# KiCad board scanhead_pcb.kicad_pcb (continued)
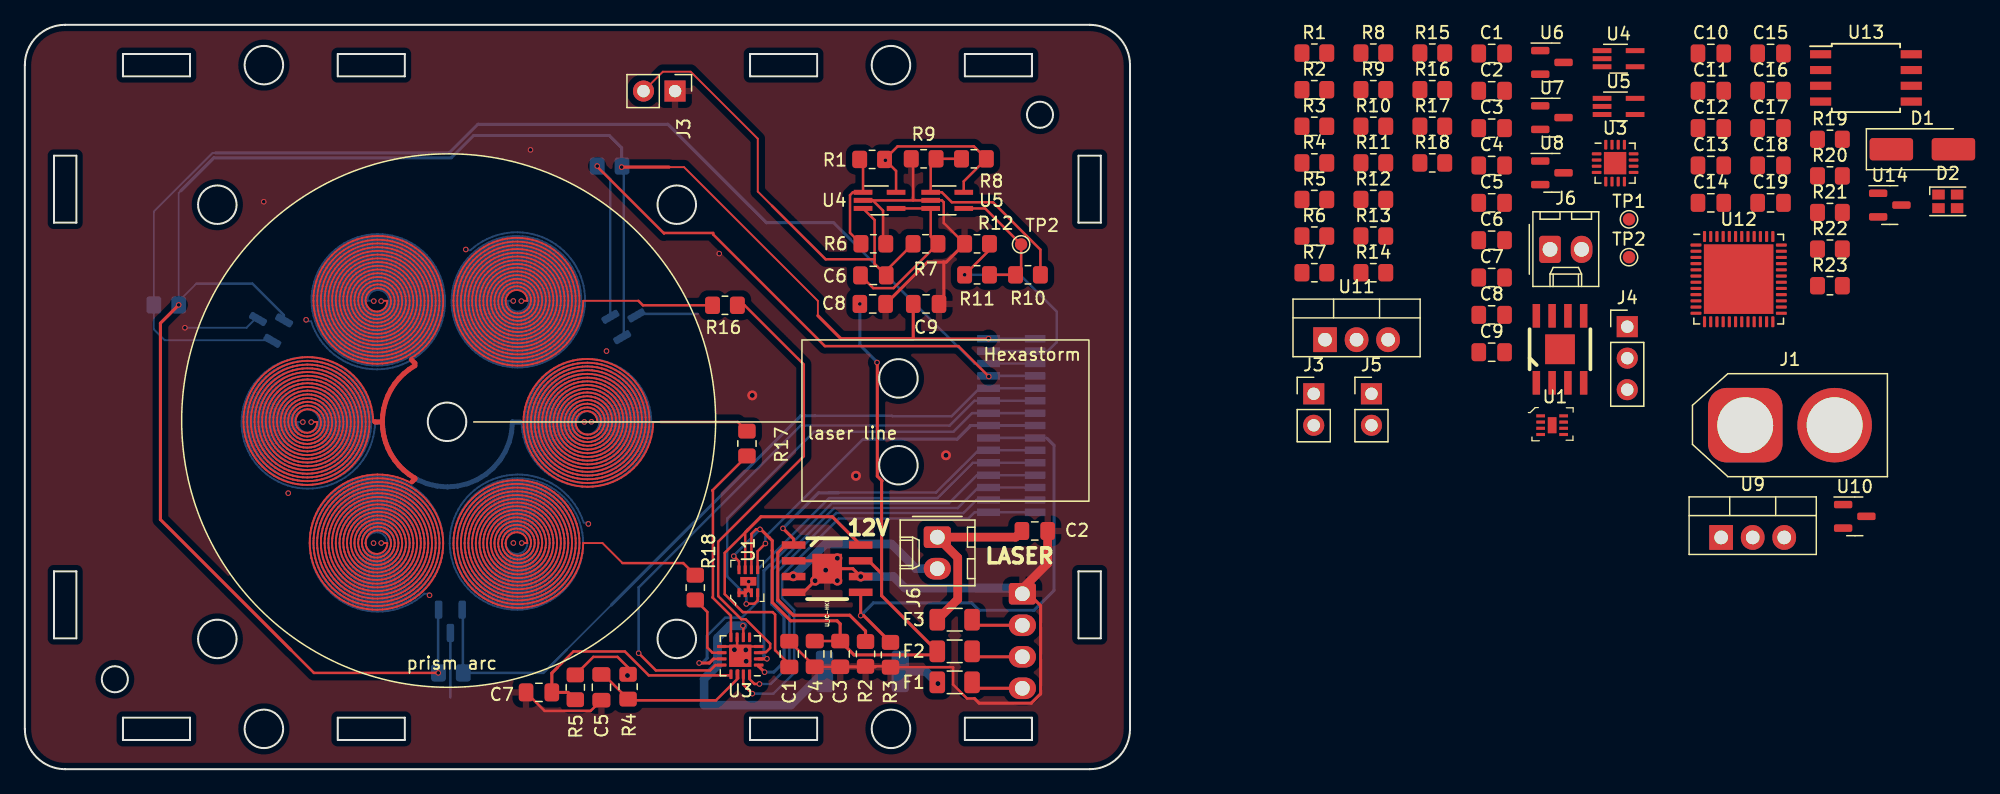
[diagram p0: board, top side]
## Routing (per net, layer and track width the routed paths; a pad name or vN(x,y) marks a point on that pad's centre or on a via; arc(x,y) is an arc through that point) (continued)
45.31,29.02 45.05,29 44.79,28.9 44.56,28.74 44.38,28.53 44.26,28.27 44.21,27.99 44.23,27.75 44.3,27.51 44.43,27.29 44.6,27.1 44.81,26.95 45.05,26.86 45.31,26.82 45.58,26.84 45.83,26.92 46.07,27.05 46.27,27.23 46.42,27.46 46.52,27.72 46.56,27.99 46.54,28.27 46.46,28.54 46.32,28.79 46.12,29 45.88,29.17 45.61,29.27 45.31,29.32 45.02,29.3 44.73,29.21 44.47,29.05 44.24,28.85 44.07,28.59 43.96,28.3 43.91,27.99 43.93,27.72 44,27.45 44.13,27.2 44.3,26.98 44.51,26.79 44.76,26.65 45.03,26.56 45.31,26.52 45.6,26.54 45.89,26.61 46.15,26.74 46.38,26.92 46.58,27.15 46.73,27.41 46.82,27.69 46.86,27.99 46.84,28.3 46.76,28.59 46.63,28.87 46.44,29.12 46.2,29.32 45.93,29.48 45.63,29.58 45.31,29.62 45,29.6 44.68,29.51 44.4,29.37 44.14,29.17 43.92,28.92 43.76,28.64 43.66,28.32 43.61,27.99 43.63,27.7 43.7,27.41 43.82,27.13 43.99,26.88 44.19,26.66 44.44,26.48 44.71,26.34 45.01,26.25 45.31,26.22 45.62,26.24 45.93,26.31 46.21,26.43 46.48,26.61 46.71,26.83 46.89,27.08 47.04,27.37 47.13,27.67 47.16,27.99 47.14,28.32 47.07,28.63 46.94,28.93 46.76,29.2 46.53,29.44 46.26,29.64 45.97,29.79 45.65,29.88 45.31,29.92 44.98,29.9 44.65,29.82 44.34,29.68 44.06,29.49 43.81,29.26 43.6,28.98 43.45,28.67 43.35,28.34 43.31,27.99 43.33,27.68 43.4,27.37 43.51,27.07 43.67,26.8 43.87,26.55 44.11,26.34 44.38,26.16 44.68,26.03 44.99,25.95 45.31,25.92 45.64,25.94 45.96,26.01 46.27,26.12 46.55,26.29 46.81,26.5 47.03,26.75 47.21,27.03 47.34,27.33 47.43,27.66 47.46,27.99 47.44,28.33 47.37,28.66 47.25,28.98 47.08,29.27 46.86,29.54 46.6,29.77 46.31,29.96 46,30.09 45.66,30.18 45.31,30.22 44.96,30.2 44.62,30.12 44.29,30 43.99,29.82 43.71,29.59 43.48,29.33 43.28,29.03 43.14,28.7 43.05,28.35 43.01,27.99 43.03,27.66 43.09,27.34 43.2,27.03 43.36,26.73 43.55,26.46 43.78,26.22 44.04,26.02 44.34,25.85 44.65,25.73 44.98,25.65 45.31,25.62 45.65,25.64 45.99,25.7 46.31,25.81 46.61,25.97 46.89,26.17 47.14,26.41 47.35,26.68 47.52,26.98 47.65,27.31 47.73,27.65 47.76,27.99 47.75,28.34 47.68,28.69 47.56,29.02 47.4,29.33 47.19,29.62 46.95,29.88 46.66,30.09 46.35,30.27 46.02,30.4 45.67,30.49 45.31,30.52 44.95,30.5 44.6,30.43 44.26,30.31 43.93,30.14 43.64,29.93 43.37,29.67 43.15,29.38 42.97,29.06 42.83,28.72 42.75,28.36 42.71,27.99 42.73,27.65 42.79,27.32 42.89,26.99 43.04,26.68 43.23,26.39 43.45,26.13 43.7,25.9 43.99,25.7 44.3,25.54 44.62,25.42 44.97,25.35 45.31,25.32 45.66,25.33 46.01,25.4 46.34,25.5 46.66,25.65 46.96,25.85 47.23,26.08 47.47,26.34 47.67,26.63 47.84,26.95 47.96,27.28 48.03,27.63 48.06,27.99 48.05,28.35 47.98,28.71 47.87,29.05 47.72,29.38 47.52,29.69 47.28,29.96 47.01,30.21 46.71,30.42 46.39,30.59 46.04,30.71 45.68,30.79 45.31,30.82 44.94,30.8 44.58,30.73 44.23,30.62 43.89,30.46 43.58,30.26 43.29,30.02 43.04,29.74 42.82,29.43 42.65,29.1 42.52,28.74 42.44,28.37 42.41,27.99 42.43,27.64 42.49,27.3 42.59,26.96 42.73,26.63 42.9,26.33 43.12,26.05 43.36,25.79 43.64,25.57 43.94,25.38 44.27,25.23 44.6,25.12 44.96,25.05 45.31,25.02 45.67,25.03 46.03,25.09 46.38,25.2 46.71,25.34 47.02,25.52 47.31,25.74 47.57,25.99 47.8,26.28 47.99,26.59 48.15,26.92 48.26,27.27 48.34,27.63 48.36,27.99 48.35,28.36 48.29,28.73 48.18,29.08 48.04,29.42 47.85,29.74 47.62,30.04 47.36,30.31 47.07,30.54 46.76,30.74 46.42,30.9 46.06,31.02 45.69,31.09 45.31,31.12 44.94,31.1 44.56,31.04 44.2,30.93 43.85,30.78 43.52,30.59 43.22,30.36 42.94,30.09 42.7,29.79 42.5,29.47 42.34,29.12 42.22,28.76 42.14,28.38 42.11,27.99 42.13,27.63 42.18,27.28 42.28,26.93 42.41,26.6 42.58,26.28 42.79,25.98 43.02,25.7 43.29,25.46 43.59,25.24 43.9,25.06 44.24,24.92 44.59,24.81 44.95,24.74 45.31,24.72 45.68,24.73 46.05,24.79 46.4,24.89 46.74,25.02 47.07,25.2 47.38,25.41 47.66,25.65 47.91,25.92 48.13,26.22 48.31,26.55 48.46,26.89 48.57,27.25 48.64,27.62 48.66,27.99 48.65,28.37 48.59,28.74 48.49,29.1 48.35,29.46 48.17,29.79 47.96,30.1 47.71,30.39 47.43,30.65 47.12,30.87 46.79,31.06 46.44,31.21 46.07,31.32 45.7,31.39 45.31,31.42 44.93,31.4 44.55,31.34 44.18,31.24 43.82,31.1 43.48,30.92 43.16,30.7 42.87,30.44 42.6,30.16 42.37,29.84 42.18,29.5 42.03,29.14 41.91,28.77 41.84,28.38 41.81,27.99 41.83,27.63 41.88,27.26 41.97,26.91 42.1,26.56 42.26,26.23 42.46,25.92 42.69,25.63 42.95,25.36 43.23,25.13 43.54,24.92 43.87,24.75 44.21,24.61 44.57,24.51 44.94,24.44 45.31,24.42 45.69,24.43 46.06,24.49 46.42,24.58 46.78,24.71 47.11,24.88 47.43,25.08 47.73,25.31 48,25.57 48.24,25.87 48.45,26.18 48.63,26.52 48.77,26.87 48.87,27.24 48.94,27.61 48.96,27.99 48.95,28.38 48.89,28.75 48.8,29.13 48.67,29.49 48.5,29.83 48.29,30.16 48.05,30.46 47.78,30.74 47.49,30.98 47.16,31.2 46.82,31.38 46.46,31.52 46.09,31.63 45.7,31.69 45.31,31.72 44.92,31.7 44.54,31.65 44.16,31.55 43.79,31.41 43.44,31.24 43.11,31.03 42.8,30.79 42.52,30.51 42.26,30.21 42.04,29.88 41.86,29.53 41.71,29.16 41.61,28.78 41.54,28.39 41.51,27.99 41.53,27.62 41.58,27.25 41.66,26.89 41.79,26.53 41.94,26.19 42.13,25.87 42.35,25.56 42.6,25.28 42.88,25.02 43.18,24.79 43.5,24.6 43.84,24.43 44.19,24.3 44.56,24.2 44.93,24.14 45.31,24.12 45.69,24.13 46.07,24.18 46.44,24.27 46.8,24.4 47.15,24.55 47.48,24.75 47.79,24.97 48.08,25.23 48.34,25.51 48.57,25.81 48.78,26.14 48.95,26.49 49.08,26.85 49.18,27.22 49.24,27.61 49.26,27.99 49.25,28.38 49.2,28.77 49.11,29.14 48.98,29.51 48.82,29.87 48.62,30.2 48.39,30.52 48.13,30.81 47.85,31.08 47.53,31.32 47.2,31.52 46.85,31.69 46.48,31.83 46.1,31.93 45.71,31.99 45.31,32.02 44.92,32 44.53,31.95 44.14,31.86 43.77,31.73 43.41,31.56 43.06,31.36 42.74,31.13 42.44,30.87 42.17,30.57 41.93,30.26 41.72,29.91 41.54,29.55 41.4,29.18 41.3,28.79 41.24,28.39 41.21,27.99 41.23,27.61 41.28,27.24 41.36,26.87 41.47,26.51 41.62,26.16 41.81,25.82 42.02,25.5 42.26,25.21 42.53,24.93 42.82,24.69 43.13,24.47 43.46,24.28 43.81,24.12 44.18,23.99 44.55,23.9 44.93,23.84 45.31,23.82 45.7,23.83 46.08,23.88 46.46,23.96 46.83,24.08 47.18,24.24 47.53,24.42 47.85,24.64 48.15,24.88 48.43,25.15 48.68,25.45 48.9,25.77 49.1,26.11 49.26,26.46 49.39,26.83 49.48,27.21 49.54,27.6 49.56,27.99 49.55,28.39 49.5,28.78 49.41,29.16 49.29,29.53 49.14,29.9 48.95,30.24 48.73,30.57 48.48,30.88 48.2,31.16 47.9,31.42 47.58,31.65 47.23,31.84 46.87,32.01 46.49,32.14 46.11,32.24 45.71,32.3 45.31,32.32 44.91,32.3 44.52,32.25 44.13,32.17 43.75,32.04 43.38,31.88 43.02,31.69 42.69,31.47 42.38,31.22 42.09,30.93 41.83,30.63 41.6,30.3 41.39,29.94 41.23,29.58 41.09,29.19 41,28.8 40.94,28.4 40.91,27.99 40.93,27.61 40.97,27.23 41.05,26.85 41.16,26.48 41.31,26.12 41.48,25.78 41.69,25.45 41.92,25.14 42.18,24.86 42.46,24.59 42.76,24.35 43.09,24.14 43.43,23.96 43.79,23.8 44.16,23.68 44.54,23.59 44.92,23.54 45.31,23.52 45.7,23.53 46.09,23.58 46.48,23.66 46.85,23.77 47.21,23.92 47.56,24.1 47.9,24.3 48.21,24.54 48.5,24.8 48.77,25.09 49.02,25.4 49.23,25.73 49.42,26.08 49.57,26.44 49.7,26.82 49.79,27.2 49.84,27.6 49.86,27.99 49.85,28.39 49.8,28.78 49.72,29.17 49.61,29.55 49.46,29.92 49.28,30.28 49.06,30.62 48.82,30.94 48.56,31.24 48.27,31.51 47.95,31.76 47.61,31.98 47.26,32.17 46.89,32.32 46.51,32.45 46.12,32.54 45.72,32.6 45.31,32.62 44.91,32.6 44.51,32.56 44.11,32.47 43.73,32.35 43.35,32.2 42.99,32.02 42.64,31.81 42.32,31.56 42.02,31.29 41.74,30.99 41.49,30.67 41.27,30.33 41.07,29.97 40.91,29.59 40.79,29.21 40.69,28.81 40.64,28.4 40.61,27.99 40.63,27.6 40.67,27.22 40.75,26.84 40.85,26.46 40.99,26.1 41.16,25.74 41.36,25.41 41.58,25.09 41.83,24.79 42.1,24.51 42.4,24.25 42.72,24.02 43.05,23.81 43.4,23.64 43.77,23.49 44.14,23.38 44.53,23.29 44.92,23.24 45.31,23.22 45.71,23.23 46.1,23.28 46.49,23.35 46.87,23.46 47.24,23.6 47.6,23.77 47.94,23.97 48.27,24.2 48.57,24.45 48.86,24.73 49.12,25.03 49.35,25.36 49.56,25.7 49.74,26.05 49.89,26.42 50,26.81 50.09,27.2 50.14,27.59 50.16,27.99 50.15,28.39 50.11,28.79 50.03,29.19 49.92,29.57 49.77,29.95 49.6,30.31 49.4,30.66 49.17,30.99 48.91,31.3 48.63,31.59 48.32,31.85 47.99,32.09 47.65,32.3 47.28,32.49 46.91,32.64 46.52,32.76 46.12,32.84 45.72,32.9 45.31,32.92 44.91,32.91 44.5,32.86 44.1,32.78 43.71,32.67 43.33,32.52 42.96,32.35 42.61,32.14 42.27,31.9 41.95,31.64 41.66,31.36 41.39,31.04 41.15,30.71 40.94,30.36 40.75,29.99 40.6,29.61 40.48,29.22 40.39,28.81 40.33,28.41 40.31,27.99 40.33,27.6 40.37,27.21 40.44,26.82 40.54,26.44 40.68,26.07 40.84,25.71 41.03,25.37 41.24,25.04 41.49,24.72 41.75,24.43 42.04,24.16 42.35,23.91 42.68,23.69 43.02,23.49 43.38,23.32 43.75,23.18 44.13,23.07 44.52,22.99 44.92,22.94 45.31,22.92 45.71,22.93 46.11,22.97 46.5,23.05 46.89,23.15 47.26,23.29 47.63,23.45 47.98,23.64 48.31,23.86 48.63,24.11 48.93,24.38 49.2,24.67 49.46,24.98 49.68,25.32 49.88,25.67 50.05,26.03 50.2,26.41 50.31,26.79 50.39,27.19 50.44,27.59 50.46,27.99 50.45,28.4 50.41,28.8 50.33,29.2 50.23,29.59 50.09,29.97 49.92,30.34 49.73,30.7 49.5,31.04 49.26,31.36 48.98,31.66 48.69,31.94 48.37,32.2 48.03,32.43 47.68,32.63 47.31,32.8 46.92,32.95 46.53,33.06 46.13,33.15 45.72,33.2 45.31,33.22 44.9,33.21 44.5,33.16 44.09,33.08 43.69,32.98 43.31,32.84 42.93,32.67 42.57,32.47 42.23,32.24 41.9,31.99 41.59,31.71 41.31,31.41 41.05,31.09 40.82,30.75 40.61,30.39 40.43,30.01 40.29,29.63 40.17,29.23 40.09,28.82 40.03,28.41 40.01,27.99 40.03,27.6 40.07,27.2 40.14,26.81 40.24,26.43 40.36,26.05 40.52,25.68 40.7,25.33 40.91,24.99 41.15,24.67 41.4,24.36 41.68,24.08 41.98,23.82 42.3,23.58 42.64,23.36 42.99,23.17 43.36,23.01 43.73,22.87 44.12,22.76 44.51,22.69 44.91,22.64 45.31,22.62 45.72,22.63 46.12,22.67 46.51,22.74 46.9,22.84 47.28,22.97 47.66,23.13 48.01,23.32 48.36,23.53 48.69,23.77 48.99,24.03 49.28,24.31 49.55,24.62 49.79,24.94 50.01,25.28 50.2,25.64 50.37,26.01 50.51,26.39 50.62,26.78 50.7,27.18 50.75,27.59 50.76,27.99 50.75,28.4 50.71,28.81 50.64,29.21 50.54,29.6 50.4,29.99 50.24,30.37 50.06,30.73 49.84,31.08 49.6,31.41 49.34,31.72 49.05,32.02 48.74,32.29 48.41,32.53 48.06,32.76 47.7,32.95 47.33,33.12 46.94,33.26 46.94,33.59 46.84,33.69 ; 28.05,18.23 27.6,18.23 27.62,18.02 27.69,17.82 27.81,17.64 27.98,17.49 28.18,17.4 28.4,17.35 28.63,17.37 28.85,17.45 29.05,17.58 29.2,17.77 29.31,17.99 29.35,18.23 29.33,18.48 29.25,18.72 29.1,18.93 28.9,19.09 28.66,19.21 28.4,19.25 28.13,19.23 27.88,19.14 27.65,18.98 27.47,18.77 27.35,18.51 27.3,18.23 27.32,17.98 27.39,17.74 27.52,17.52 27.69,17.34 27.9,17.19 28.14,17.09 28.4,17.05 28.67,17.07 28.92,17.15 29.15,17.28 29.35,17.47 29.51,17.7 29.61,17.95 29.65,18.23 29.63,18.51 29.55,18.78 29.4,19.03 29.21,19.24 28.97,19.4 28.69,19.51 28.4,19.55 28.1,19.53 27.82,19.44 27.56,19.29 27.33,19.08 27.16,18.83 27.05,18.54 27,18.23 27.02,17.95 27.09,17.69 27.21,17.44 27.38,17.21 27.6,17.03 27.84,16.88 28.12,16.79 28.4,16.75 28.69,16.77 28.97,16.85 29.24,16.98 29.47,17.16 29.67,17.38 29.82,17.64 29.91,17.93 29.95,18.23 29.93,18.53 29.85,18.83 29.71,19.11 29.52,19.35 29.29,19.56 29.02,19.71 28.72,19.81 28.4,19.85 28.08,19.83 27.77,19.75 27.48,19.6 27.23,19.4 27.01,19.16 26.85,18.87 26.74,18.56 26.7,18.23 26.72,17.93 26.79,17.64 26.91,17.37 27.07,17.11 27.28,16.89 27.53,16.71 27.8,16.58 28.09,16.49 28.4,16.45 28.71,16.47 29.01,16.54 29.3,16.67 29.56,16.84 29.79,17.06 29.98,17.32 30.12,17.6 30.22,17.91 30.25,18.23 30.23,18.55 30.16,18.87 30.03,19.17 29.84,19.44 29.62,19.68 29.35,19.87 29.05,20.02 28.73,20.12 28.4,20.15 28.07,20.13 27.74,20.05 27.43,19.92 27.14,19.73 26.89,19.49 26.69,19.22 26.54,18.91 26.44,18.57 26.4,18.23 26.42,17.91 26.49,17.61 26.6,17.31 26.76,17.04 26.96,16.79 27.2,16.57 27.47,16.4 27.76,16.27 28.08,16.19 28.4,16.15 28.73,16.17 29.05,16.24 29.35,16.36 29.64,16.53 29.9,16.73 30.12,16.98 30.3,17.26 30.43,17.57 30.52,17.89 30.55,18.23 30.53,18.57 30.46,18.9 30.34,19.21 30.17,19.51 29.95,19.78 29.69,20 29.4,20.19 29.08,20.33 28.75,20.42 28.4,20.45 28.05,20.43 27.71,20.36 27.38,20.23 27.08,20.05 26.8,19.83 26.56,19.56 26.37,19.26 26.23,18.93 26.14,18.59 26.1,18.23 26.12,17.9 26.18,17.58 26.29,17.26 26.44,16.97 26.64,16.7 26.87,16.46 27.13,16.25 27.42,16.09 27.74,15.96 28.06,15.88 28.4,15.85 28.74,15.87 29.07,15.94 29.4,16.05 29.7,16.21 29.98,16.41 30.23,16.65 30.44,16.92 30.61,17.22 30.74,17.54 30.82,17.88 30.85,18.23 30.83,18.58 30.77,18.92 30.65,19.25 30.49,19.57 30.28,19.86 30.03,20.11 29.75,20.33 29.44,20.51 29.11,20.64 28.76,20.72 28.4,20.75 28.04,20.73 27.69,20.66 27.34,20.54 27.02,20.38 26.73,20.16 26.46,19.91 26.24,19.62 26.05,19.3 25.92,18.96 25.83,18.6 25.8,18.23 25.82,17.89 25.88,17.55 25.98,17.23 26.13,16.92 26.31,16.63 26.54,16.36 26.79,16.13 27.08,15.93 27.38,15.77 27.71,15.66 28.05,15.58 28.4,15.55 28.75,15.57 29.1,15.63 29.43,15.74 29.75,15.89 30.05,16.08 30.32,16.31 30.56,16.57 30.76,16.87 30.92,17.18 31.05,17.52 31.12,17.87 31.15,18.23 31.13,18.59 31.07,18.94 30.96,19.29 30.8,19.62 30.61,19.92 30.37,20.2 30.1,20.45 29.8,20.65 29.48,20.82 29.13,20.95 28.77,21.02 28.4,21.05 28.03,21.04 27.67,20.97 27.31,20.86 26.98,20.7 26.66,20.49 26.38,20.25 26.13,19.97 25.91,19.67 25.74,19.33 25.61,18.98 25.53,18.61 25.5,18.23 25.52,17.88 25.57,17.53 25.67,17.19 25.81,16.87 25.99,16.56 26.2,16.28 26.45,16.03 26.73,15.8 27.03,15.61 27.35,15.46 27.69,15.35 28.04,15.28 28.4,15.25 28.76,15.27 29.12,15.33 29.46,15.43 29.79,15.57 30.11,15.76 30.4,15.98 30.66,16.23 30.89,16.51 31.08,16.82 31.24,17.15 31.35,17.5 31.42,17.86 31.45,18.23 31.43,18.6 31.37,18.96 31.27,19.32 31.12,19.66 30.94,19.98 30.71,20.27 30.45,20.54 30.16,20.78 29.84,20.98 29.5,21.13 29.15,21.25 28.78,21.33 28.4,21.35 28.02,21.34 27.65,21.27 27.29,21.17 26.94,21.02 26.61,20.82 26.31,20.59 26.03,20.33 25.79,20.03 25.59,19.71 25.43,19.36 25.31,18.99 25.23,18.61 25.2,18.23 25.22,17.87 25.27,17.51 25.37,17.17 25.5,16.83 25.67,16.51 25.87,16.21 26.11,15.94 26.38,15.69 26.67,15.48 26.99,15.3 27.33,15.15 27.68,15.05 28.04,14.98 28.4,14.95 28.77,14.97 29.13,15.03 29.49,15.12 29.83,15.26 30.16,15.43 30.46,15.64 30.74,15.89 31,16.16 31.22,16.46 31.4,16.78 31.55,17.13 31.66,17.49 31.73,17.85 31.75,18.23 31.74,18.6 31.68,18.98 31.58,19.34 31.44,19.69 31.26,20.03 31.05,20.34 30.8,20.62 30.52,20.88 30.21,21.11 29.88,21.3 29.53,21.45 29.16,21.56 28.78,21.63 28.4,21.65 28.02,21.64 27.64,21.58 27.26,21.48 26.91,21.33 26.56,21.15 26.25,20.93 25.95,20.68 25.69,20.39 25.46,20.08 25.27,19.74 25.11,19.38 25,19.01 24.93,18.62 24.9,18.23 24.92,17.86 24.97,17.5 25.06,17.14 25.19,16.8 25.35,16.47 25.55,16.15 25.77,15.86 26.03,15.6 26.32,15.36 26.63,15.15 26.96,14.98 27.3,14.84 27.66,14.74 28.03,14.68 28.4,14.65 28.78,14.67 29.15,14.72 29.51,14.81 29.86,14.94 30.2,15.11 30.52,15.31 30.82,15.55 31.09,15.81 31.33,16.1 31.54,16.42 31.72,16.75 31.86,17.11 31.96,17.47 32.03,17.85 32.05,18.23 32.04,18.61 31.98,18.99 31.89,19.36 31.75,19.72 31.58,20.07 31.38,20.39 31.14,20.69 30.87,20.97 30.57,21.22 30.25,21.43 29.91,21.61 29.55,21.76 29.17,21.86 28.79,21.93 28.4,21.95 28.01,21.94 27.62,21.88 27.25,21.79 26.88,21.65 26.53,21.48 26.19,21.27 25.89,21.02 25.6,20.75 25.35,20.44 25.13,20.12 24.95,19.77 24.8,19.4 24.69,19.02 24.63,18.63 24.6,18.23 24.62,17.86 24.67,17.49 24.75,17.12 24.87,16.77 25.03,16.43 25.22,16.1 25.44,15.8 25.69,15.52 25.96,15.26 26.26,15.03 26.59,14.83 26.93,14.67 27.28,14.53 27.65,14.44 28.02,14.38 28.4,14.35 28.78,14.37 29.16,14.42 29.53,14.51 29.89,14.63 30.24,14.79 30.57,14.98 30.88,15.21 31.17,15.46 31.43,15.74 31.66,16.05 31.86,16.38 32.03,16.72 32.17,17.09 32.27,17.46 32.33,17.84 32.35,18.23 32.34,18.62 32.28,19 32.19,19.38 32.07,19.75 31.91,20.1 31.71,20.44 31.48,20.76 31.22,21.05 30.93,21.31 30.62,21.55 30.29,21.76 29.93,21.93 29.57,22.07 29.18,22.17 28.8,22.23 28.4,22.25 28.01,22.24 27.61,22.19 27.23,22.09 26.85,21.96 26.49,21.8 26.15,21.6 25.83,21.37 25.53,21.1 25.26,20.81 25.02,20.49 24.81,20.15 24.63,19.79 24.49,19.41 24.39,19.03 24.33,18.63 24.3,18.23 24.31,17.85 24.36,17.47 24.45,17.1 24.56,16.74 24.71,16.39 24.89,16.06 25.1,15.74 25.35,15.44 25.61,15.17 25.9,14.92 26.22,14.7 26.55,14.51 26.9,14.35 27.26,14.23 27.64,14.13 28.02,14.08 28.4,14.05 28.79,14.07 29.17,14.12 29.55,14.2 29.92,14.32 30.27,14.47 30.61,14.66 30.94,14.87 31.24,15.12 31.52,15.39 31.77,15.69 31.99,16.01 32.19,16.34 32.35,16.7 32.48,17.07 32.57,17.45 32.63,17.84 32.65,18.23 32.64,18.62 32.59,19.01 32.5,19.4 32.38,19.77 32.23,20.13 32.04,20.48 31.82,20.81 31.57,21.12 31.29,21.4 30.99,21.66 30.66,21.88 30.32,22.08 29.96,22.25 29.58,22.38 29.19,22.47 28.8,22.53 28.4,22.55 28,22.54 27.61,22.49 27.21,22.4 26.83,22.28 26.46,22.12 26.11,21.93 25.78,21.7 25.46,21.45 25.18,21.17 24.91,20.86 24.68,20.53 24.48,20.18 24.32,19.81 24.18,19.43 24.09,19.04 24.02,18.63 24,18.23 24.01,17.84 24.06,17.46 24.14,17.09 24.25,16.72 24.39,16.36 24.57,16.02 24.77,15.69 25.01,15.38 25.26,15.09 25.55,14.83 25.85,14.59 26.18,14.37 26.52,14.19 26.88,14.04 27.25,13.92 27.63,13.83 28.01,13.77 28.4,13.75 28.79,13.77 29.18,13.81 29.56,13.89 29.94,14.01 30.3,14.15 30.65,14.33 30.98,14.54 31.3,14.78 31.59,15.04 31.86,15.33 32.1,15.64 32.32,15.97 32.51,16.31 32.66,16.68 32.78,17.05 32.87,17.44 32.93,17.83 32.95,18.23 32.94,18.63 32.89,19.02 32.81,19.41 32.69,19.79 32.54,20.16 32.36,20.52 32.15,20.86 31.91,21.17 31.65,21.47 31.35,21.75 31.04,21.99 30.7,22.21 30.35,22.4 29.98,22.56 29.6,22.68 29.2,22.78 28.8,22.83 28.4,22.85 28,22.84 27.6,22.79 27.2,22.71 26.81,22.59 26.44,22.44 26.08,22.26 25.73,22.04 25.41,21.8 25.1,21.53 24.83,21.23 24.58,20.91 24.35,20.57 24.16,20.21 24,19.83 23.87,19.44 23.78,19.04 23.72,18.64 23.7,18.23 23.71,17.84 23.76,17.45 23.83,17.07 23.94,16.7 24.08,16.33 24.25,15.98 24.44,15.64 24.67,15.32 24.92,15.02 25.19,14.74 25.49,14.49 25.8,14.25 26.14,14.05 26.49,13.87 26.86,13.73 27.23,13.61 27.62,13.53 28.01,13.47 28.4,13.45 28.8,13.47 29.19,13.51 29.58,13.59 29.96,13.7 30.33,13.84 30.69,14.01 31.03,14.21 31.35,14.44 31.66,14.69 31.94,14.97 32.2,15.27 32.44,15.59 32.65,15.93 32.82,16.29 32.97,16.66 33.09,17.04 33.18,17.43 33.23,17.83 33.25,18.23 33.24,18.63 33.19,19.03 33.11,19.42 33,19.81 32.86,20.18 32.69,20.55 32.48,20.9 32.25,21.23 32,21.54 31.71,21.83 31.41,22.09 31.08,22.33 30.73,22.54 30.37,22.72 30,22.87 29.61,22.99 29.21,23.08 28.81,23.13 28.4,23.15 27.99,23.14 27.59,23.09 27.19,23.01 26.8,22.9 26.42,22.76 26.05,22.58 25.69,22.37 25.36,22.14 25.04,21.88 24.75,21.59 24.48,21.28 24.24,20.95 24.02,20.6 23.84,20.23 23.69,19.85 23.57,19.45 23.48,19.05 23.42,18.64 23.4,18.23 23.41,17.84 23.46,17.45 23.53,17.06 23.63,16.68 23.76,16.31 23.93,15.95 24.12,15.6 24.33,15.27 24.57,14.96 24.84,14.67 25.13,14.4 25.44,14.15 25.76,13.92 26.11,13.73 26.47,13.56 26.84,13.42 27.22,13.3 27.61,13.22 28,13.17 28.4,13.15 28.8,13.17 29.2,13.21 29.59,13.28 29.97,13.39 30.35,13.52 30.72,13.69 31.07,13.88 31.4,14.1 31.72,14.34 32.02,14.61 32.29,14.91 32.54,15.22 32.77,15.55 32.97,15.9 33.14,16.26 33.29,16.64 33.4,17.03 33.48,17.42 33.53,17.82 33.55,18.23 33.54,18.63 33.5,19.04 33.42,19.43 33.31,19.82 33.18,20.21 33.01,20.58 32.81,20.93 32.59,21.27 32.34,21.6 32.07,21.9 31.77,22.18 31.45,22.43 31.12,22.66 30.76,22.86 30.39,23.04 30.01,23.18 29.62,23.3 29.22,23.38 28.81,23.43 28.4,23.45 27.99,23.44 27.58,23.4 27.18,23.32 26.78,23.21 26.39,23.07 26.02,22.9 25.66,22.71 25.31,22.48 24.99,22.23 24.68,21.95 24.4,21.65 24.14,21.33 23.9,20.98 23.7,20.62 23.52,20.25 23.38,19.86 23.26,19.46 23.17,19.06 23.12,18.64 23.1,18.23 23.11,17.83 23.15,17.44 23.22,17.05 23.32,16.66 23.45,16.29 23.61,15.92 23.79,15.57 24,15.23 24.23,14.9 24.49,14.6 24.77,14.31 25.07,14.05 25.39,13.81 25.73,13.6 26.08,13.41 26.44,13.24 26.82,13.11 27.21,13 27.6,12.92 28,12.87 28.4,12.85 28.8,12.87 29.2,12.91 29.6,12.98 29.99,13.08 30.37,13.21 30.74,13.37 31.1,13.55 31.45,13.76 31.77,14 32.08,14.26 32.37,14.55 32.64,14.85 32.88,15.17 33.1,15.52 33.29,15.87 33.46,16.24 33.6,16.63 33.7,17.02 33.78,17.42 33.83,17.82 33.85,18.23 33.84,18.64 33.8,19.04 33.73,19.44 33.62,19.84 33.49,20.23 33.33,20.6 33.14,20.97 32.93,21.31 32.69,21.65 32.42,21.96 32.14,22.25 31.83,22.52 31.5,22.77 31.15,22.99 ; 21.24,22.29 21.14,22.39 21.14,22.73 20.75,22.87 20.38,23.03 20.01,23.23 19.67,23.45 19.34,23.7 19.03,23.97 18.74,24.26 18.48,24.57 18.24,24.91 18.02,25.26 17.83,25.62 17.67,26 17.54,26.38 17.44,26.78 17.37,27.18 17.33,27.59 17.31,27.99 17.33,28.4 17.38,28.8 17.46,29.2 17.57,29.6 17.71,29.98 17.87,30.35 18.07,30.71 18.28,31.05 18.53,31.37 18.79,31.68 19.08,31.96 19.39,32.22 19.72,32.46 20.06,32.67 20.42,32.86 20.79,33.01 21.18,33.14 21.57,33.24 21.96,33.32 